# Altium PCB PCB1.PcbDoc (part 1 of 4) (continued)
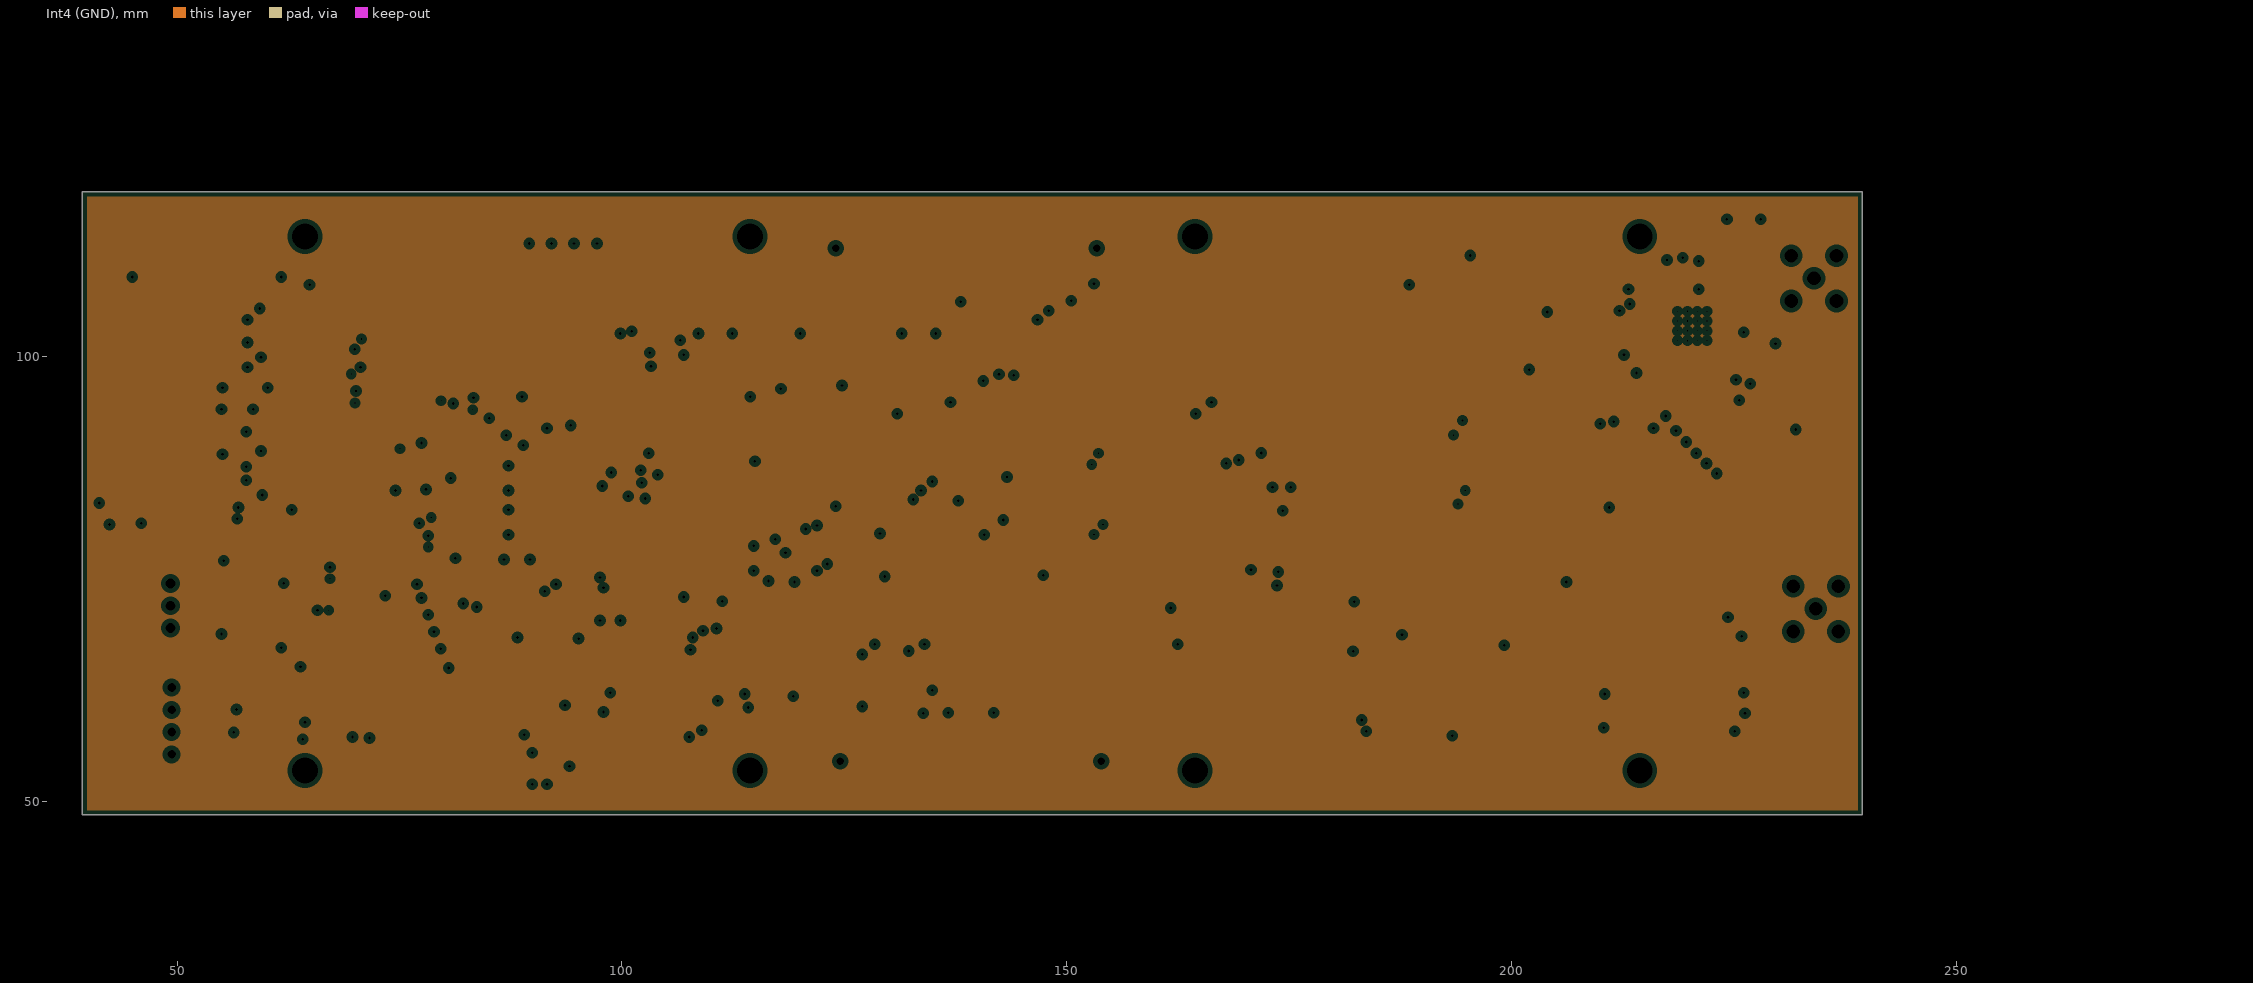
[diagram p5: Int4 (GND), clearances drawn from the general rule]
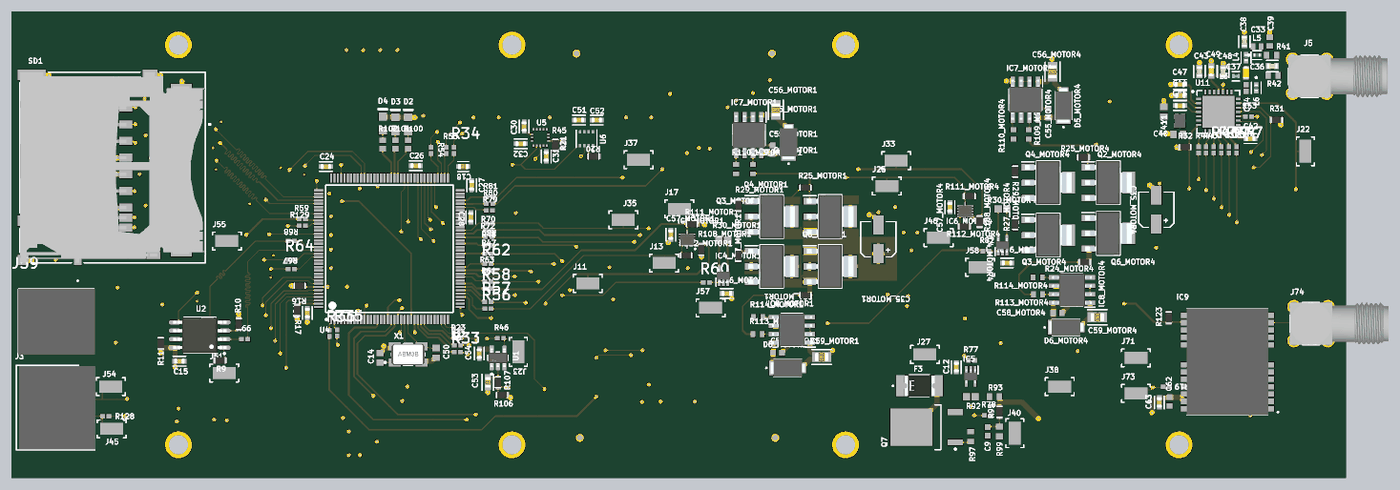
[diagram p9: 3D render of the assembled board from above, using the file's embedded part models]
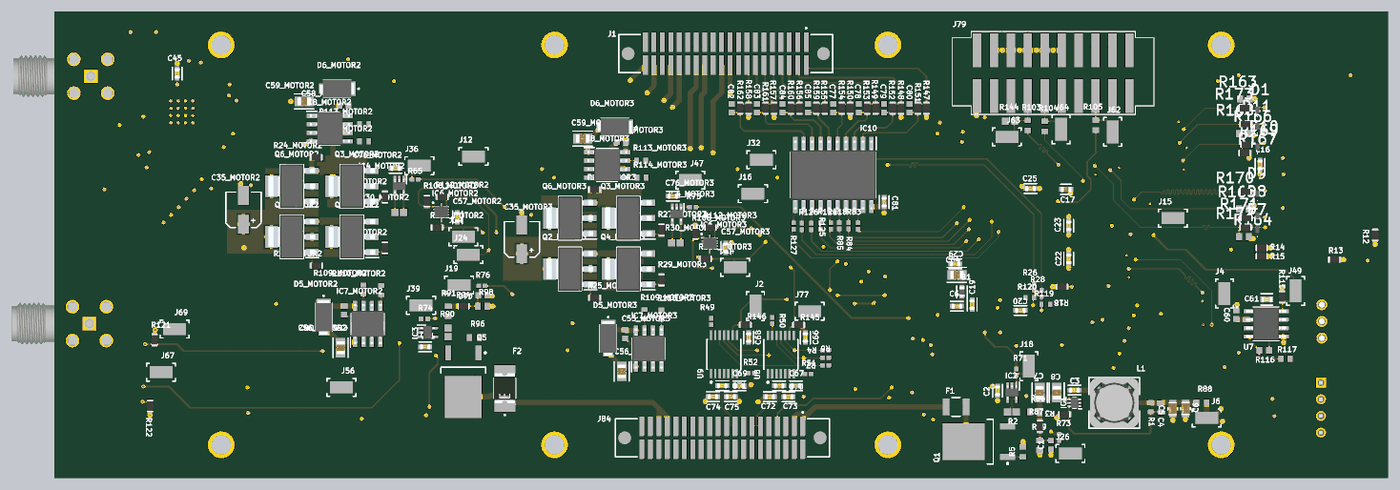
[diagram p10: 3D render of the assembled board from below, using the file's embedded part models]

## Layer stack, top to bottom
Top Solder: solder mask 0.0254, SM-001, Dk 4
Top Layer: signal copper 0.035
Dielectric 1: prepreg 0.1, PP-006, Dk 4.1
Int1 (GND): plane copper 0.0175
Dielectric 3: core 0.565, Core-035, Dk 4.7
Int2 (Sign): signal copper 0.0175
Dielectric 4: prepreg 0.0635, PP-006, Dk 4.1
Dielectric 5: prepreg 0.0635, PP-006, Dk 4.1
Int3 (Sign): signal copper 0.0175
Dielectric 6: core 0.565, Core-035, Dk 4.7
Int4 (GND): plane copper 0.0175
Dielectric 8: prepreg 0.1, PP-006, Dk 4.1
Bottom Layer: signal copper 0.035
Bottom Solder: solder mask 0.0254, SM-001, Dk 4

## Board outline
39.37,48.514 39.37,118.514 239.37,118.514 239.37,48.514

## Design rules (kind name [scope] priority, off if disabled: settings)
BoardOutlineClearance [All] p1: gap=0.2 ignorepadtopadclearanceinfootprint=FALSE
Clearance [All] p1: gap=0.3 ignorepadtopadclearanceinfootprint=TRUE
DiffPairsRouting [InDifferentialPairClass('All Differential Pairs')] p1: maxlimit=0.127 minlimit=0.127 mostfreqgap=0.127 toplayer_minwidth=0.093 toplayer_maxwidth=0.093 toplayer_prefwidth=0.093 midlayer1_minwidth=0.088 midlayer1_maxwidth=0.088 midlayer1_prefwidth=0.088 midlayer2_minwidth=0.088 midlayer2_maxwidth=0.088 midlayer2_prefwidth=0.088 bottomlayer_minwidth=0.093 bottomlayer_maxwidth=0.093 bottomlayer_prefwidth=0.093 impedanceprofiledriven=TRUE impedanceprofileid={1322ED90-85FC-419C-B2E9-A5A53C69BCB1} impedanceprofilevalue=100.000000 maxuncoupledlength=12.7
HoleSize [All] p1: absolutevalues=TRUE maxlimit=6.3 minlimit=0.2 maxpercent=80.000 minpercent=20.000
HoleToHoleClearance [All] p1: gap=0.5 allowstackedmicrovias=TRUE
MatchedLengths MatchLengths_xSignals_U4_U5 [InxSignalClass('xSignals_U4_U5_MatchLengthsClass')] p1: tolerance=2.54 checknetsindiffpair=FALSE checkdiffpairvsdiffpair=TRUE checkxsignals=TRUE checkothers=TRUE
MatchedLengths MatchLengths_xSignals_U11_U4_2 [InxSignalClass('xSignals_U11_U4_MatchLengthsClass_2')] p2: tolerance=2.54 checknetsindiffpair=FALSE checkdiffpairvsdiffpair=TRUE checkxsignals=TRUE checkothers=TRUE
MatchedLengths MatchLengths_xSignals_U11_U4_1 [InxSignalClass('xSignals_U11_U4_MatchLengthsClass_1')] p3: tolerance=2.54 checknetsindiffpair=FALSE checkdiffpairvsdiffpair=TRUE checkxsignals=TRUE checkothers=TRUE
MatchedLengths MatchLengths_xSignals_U11_U4 [InxSignalClass('xSignals_U11_U4_MatchLengthsClass')] p4: tolerance=2 checknetsindiffpair=FALSE checkdiffpairvsdiffpair=TRUE checkxsignals=TRUE checkothers=TRUE
MatchedLengths MatchLengths_xSignals_J79_U4 [InxSignalClass('xSignals_J79_U4_MatchLengthsClass')] p5: tolerance=2 checknetsindiffpair=FALSE checkdiffpairvsdiffpair=TRUE checkxsignals=TRUE checkothers=TRUE
MatchedLengths MatchLengths_xSignals_U2_U4 [InxSignalClass('xSignals_U2_U4_MatchLengthsClass')] p6: tolerance=2 checknetsindiffpair=FALSE checkdiffpairvsdiffpair=TRUE checkxsignals=TRUE checkothers=TRUE
MatchedLengths MatchLengths_xSignals_SD1_U4 [InxSignalClass('xSignals_SD1_U4_MatchLengthsClass')] p7: tolerance=2 checknetsindiffpair=FALSE checkdiffpairvsdiffpair=TRUE checkxsignals=TRUE checkothers=TRUE
MatchedLengths MatchLengths_xSignals_SD_1 [InxSignalClass('xSignals_U3_U4_MatchLengthsClass')] p8: tolerance=2.54 checknetsindiffpair=FALSE checkdiffpairvsdiffpair=TRUE checkxsignals=TRUE checkothers=TRUE usedelayunits=TRUE delaytolerance=50.000000
MatchedLengths MatchLengths_U3_Passives_U4 [InxSignalClass('xSignals_U3_Passives_U4_MatchLengthsClass')] p9: tolerance=1.27 checknetsindiffpair=FALSE checkdiffpairvsdiffpair=TRUE checkxsignals=TRUE checkothers=TRUE
MatchedLengths MatchLengths_xSignals_U3_Passives [InxSignalClass('xSignals_U3_Passives_MatchLengthsClass')] p10: tolerance=1.27 checknetsindiffpair=FALSE checkdiffpairvsdiffpair=TRUE checkxsignals=TRUE checkothers=TRUE
MatchedLengths MatchLengths_xSignals_SD [InxSignalClass('xSignals_SD_MatchLengthsClass')] p11: tolerance=2.54 checknetsindiffpair=FALSE checkdiffpairvsdiffpair=TRUE checkxsignals=TRUE checkothers=TRUE
PlaneClearance [All] p1: clearance=0.508
PlaneConnect [All] p1: planeconnectstyle=Relief reliefexpansion=0.508 reliefentries=4 reliefconductorwidth=0.254 reliefairgap=0.254
PolygonConnect [All] p1: connectstyle=Relief reliefconductorwidth=0.5 reliefentries=4 polygonreliefangle="90 Angle" airgapwidth=0.254
RoutingVias [All] p1: holewidth=0.3 width=0.6 viastyle="Through Hole" minholewidth=0.2 minwidth=0.4 maxholewidth=0.3 maxwidth=0.6
SolderMaskExpansion [All] p1: expansion=0.102 istentingtop=FALSE
Width HF [InNetClass('HF')] p1: maxlimit=0.159 minlimit=0.156 preferedwidth=0.159 toplayer_maxwidth=0.156 toplayer_prefwidth=0.156 midlayer1_minwidth=0.159 midlayer2_minwidth=0.159 bottomlayer_maxwidth=0.156 bottomlayer_prefwidth=0.156 impedanceprofiledriven=TRUE impedanceprofileid={DCA6A961-8FFC-4B95-82B8-A4B979C5D3F6} impedanceprofilevalue=50.000000 minimp=50.000000 maximp=50.000000 favimp=50.000000
Width PWR [InNetClass('PWR')] p2: maxlimit=0.762 minlimit=0.762 preferedwidth=0.762
Width [All] p3: maxlimit=0.254 minlimit=0.254 preferedwidth=0.254
25 further rules are at their usual default settings.

## Classes and differential pairs
differential pair class TH: TH1_CON TH2_CON
component class FIN_COURSE: C77 C78 C79 C80 C81 C82 C83 C84 C85 IC10 R147 R148 R149 R150 R151 R152 R153 R154 R155 R156 R157 R158 R159 R160 R161 R162
differential pair class shunt_SEQ: shunt_SEQ
differential pair class shunt_M34: shunt_M34
differential pair class shunt_M12: shunt_M12
component class Buzzer: C60 C61 J59 R115 R116 R117 U7
channel class MOTOR: MOTOR1 MOTOR2 MOTOR3 MOTOR4
component class RADIO: C33 C34 C36 C37 C38 C39 C40 C41 C42 C43 C44 C45 C46 C47 C48 C49 J5 L3 L4 L5 L6 R31 R32 R41 R42 U11 Y1
component class MOTOR4: C35_MOTOR4 C55_MOTOR4 C56_MOTOR4 C57_MOTOR4 C58_MOTOR4 C59_MOTOR4 C76_MOTOR4 D5_MOTOR4 D6_MOTOR4 IC4_MOTOR4 IC6_MOTOR4 IC7_MOTOR4 IC8_MOTOR4 Q2_MOTOR4 Q3_MOTOR4 Q4_MOTOR4 Q6_MOTOR4 R24_MOTOR4 R25_MOTOR4 R27_MOTOR4 R29_MOTOR4 R30_MOTOR4 R108_MOTOR4 R109_MOTOR4 R110_MOTOR4 R111_MOTOR4 R112_MOTOR4 R113_MOTOR4 R114_MOTOR4
component class MOTOR3: C35_MOTOR3 C55_MOTOR3 C56_MOTOR3 C57_MOTOR3 C58_MOTOR3 C59_MOTOR3 C76_MOTOR3 D5_MOTOR3 D6_MOTOR3 IC4_MOTOR3 IC6_MOTOR3 IC7_MOTOR3 IC8_MOTOR3 Q2_MOTOR3 Q3_MOTOR3 Q4_MOTOR3 Q6_MOTOR3 R24_MOTOR3 R25_MOTOR3 R27_MOTOR3 R29_MOTOR3 R30_MOTOR3 R108_MOTOR3 R109_MOTOR3 R110_MOTOR3 R111_MOTOR3 R112_MOTOR3 R113_MOTOR3 R114_MOTOR3
component class MOTOR2: C35_MOTOR2 C55_MOTOR2 C56_MOTOR2 C57_MOTOR2 C58_MOTOR2 C59_MOTOR2 C76_MOTOR2 D5_MOTOR2 D6_MOTOR2 IC4_MOTOR2 IC6_MOTOR2 IC7_MOTOR2 IC8_MOTOR2 Q2_MOTOR2 Q3_MOTOR2 Q4_MOTOR2 Q6_MOTOR2 R24_MOTOR2 R25_MOTOR2 R27_MOTOR2 R29_MOTOR2 R30_MOTOR2 R108_MOTOR2 R109_MOTOR2 R110_MOTOR2 R111_MOTOR2 R112_MOTOR2 R113_MOTOR2 R114_MOTOR2
net class PWR: +3V3 +3V3_A +9V +VBAT +VBAT_MOTOR1 +VBAT_MOTOR2 GND HOT_L_MOTOR1 HOT_L_MOTOR2 HOT_L_MOTOR3 HOT_L_MOTOR4 HOT_R_MOTOR1 HOT_R_MOTOR2 HOT_R_MOTOR3 HOT_R_MOTOR4 NetC3_1 NetC4_2 NetC55_MOTOR1_2 NetC55_MOTOR2_2 NetC55_MOTOR3_2 NetC55_MOTOR4_2 NetC58_MOTOR1_2 NetC58_MOTOR2_2 NetC58_MOTOR3_2 NetC58_MOTOR4_2 NetF1_2 NetF2_2 NetF3_2 shunt_M12_N shunt_M12_P shunt_M34_N shunt_M34_P shunt_SEQ_N shunt_SEQ_P VCC_PWR_MOTOR1 VCC_PWR_MOTOR3
net class HF: \CS_FLASH \CS_RADIO AEROCONTACT CLK_SD CMD_SD DATA0_SD DATA1_SD DATA2_SD DATA3_SD INT_IMU MISO MISO_MEM MISO_RADIO MOSI MOSI_MEM MOSI_RADIO NetC33_1 NetC33_2 NetC34_1 NetC34_2 NetC36_1 NetC36_2 NetC37_1 NetIC6_MOTOR4_11 NetIC7_MOTOR1_5 NetIC7_MOTOR1_7 NetIC7_MOTOR2_5 NetIC7_MOTOR2_7 NetIC7_MOTOR3_5 NetIC7_MOTOR3_7 NetIC7_MOTOR4_5 NetIC7_MOTOR4_7 NetIC8_MOTOR1_5 NetIC8_MOTOR1_7 NetIC8_MOTOR2_5 NetIC8_MOTOR2_7 NetIC8_MOTOR3_5 NetIC8_MOTOR3_7 NetIC8_MOTOR4_5 NetIC8_MOTOR4_7 NetIC9_11 NetIC10_11 NetIC10_12 NetIC10_13 NetIC10_14 NetIC10_15 NetIC10_16 NetIC10_17 NetIC10_18 NetJ5_1 NetR26_2 NetR28_2 NetR34_1 NetR37_1 NetR38_1 NetR39_1 NetR40_1 NetR43_1 NetR44_1 NetR45_1 NetR46_1 NetR53_1 NetR54_1 NetR55_1 NetR56_2 NetR61_2 NetR64_1 NetR66_1 NetR67_1 NetR69_2 NetR79_2 NetR83_2 NetR84_2 NetR85_2 NetR103_2 NetR104_2 NetR118_2 NetR124_2 NetR125_2 NetR126_2 NetR127_2 NetR128_2 NetR129_2 PWM_M1 PWM_M1_CW_MOTOR1 PWM_M1_CW_MOTOR2 PWM_M1_CW_MOTOR3 PWM_M1_CW_MOTOR4 PWM_M1_NCW_MOTOR1 PWM_M1_NCW_MOTOR2 PWM_M1_NCW_MOTOR3 PWM_M1_NCW_MOTOR4 PWM_M2 PWM_M3 SCK_MEM SCK_RADIO SCL SCLK SDA SDCLK SDCMD SDDATA0 SDDATA1 SDDATA2 SDDATA3 SWCLK SWDIO UART_RX UART_RX_GPS UART_TX UART_TX_GPS XTAL_IN XTAL_OUT
component class SENSORS: C30 C31 C32 C51 C52 C53 C54 C62 C63 C66 C67 C68 C69 C70 C71 C72 C73 C74 C75 IC9 J74 R20 R21 R106 R107 R121 R122 R123 R145 R146 U1 U5 U6 U8 U9
component class "POWER SUPPLIES": C1 C2 C3 C4 C5 C6 C7 C8 C9 C10 C11 C12 F1 F2 F3 IC1 IC2 IC3 IC5 L1 Q1 Q5 Q7 R1 R2 R3 R5 R86 R87 R88 R89 R90 R91 R92 R93 R94 R95 R96 R97 R98 R99
component class MOTOR1: C35_MOTOR1 C55_MOTOR1 C56_MOTOR1 C57_MOTOR1 C58_MOTOR1 C59_MOTOR1 C76_MOTOR1 D5_MOTOR1 D6_MOTOR1 IC4_MOTOR1 IC6_MOTOR1 IC7_MOTOR1 IC8_MOTOR1 Q2_MOTOR1 Q3_MOTOR1 Q4_MOTOR1 Q6_MOTOR1 R24_MOTOR1 R25_MOTOR1 R27_MOTOR1 R29_MOTOR1 R30_MOTOR1 R108_MOTOR1 R109_MOTOR1 R110_MOTOR1 R111_MOTOR1 R112_MOTOR1 R113_MOTOR1 R114_MOTOR1
component class MICROCONTROLLER: C14 C17 C18 C19 C20 C21 C22 C23 C24 C25 C26 C27 C28 C29 C50 C64 C65 D2 D3 D4 FB1 J62 J63 J64 J79 R16 R17 R18 R100 R101 R102 R103 R104 R105 R119 R120 R144 U4 X1
component class MEMORIES: C15 C16 D1 D7 D8 D9 D10 D11 R9 R10 R11 R12 R13 R14 R15 R163 R164 R165 R166 R167 R168 R169 R170 R171 R172 R173 SD1 U2
component class MAIN: J1 J2 J3 J4 J6 J7 J8 J9 J11 J12 J13 J14 J15 J16 J17 J18 J19 J20 J21 J22 J23 J24 J25 J26 J27 J28 J29 J32 J33 J34 J35 J36 J37 J38 J39 J40 J41 J42 J45 J46 J47 J48 J49 J50 J51 J54 J55 J56 J57 J58 J67 J68 J69 J70 J71 J72 J73 J75 J76 J77 J78 J84 R4 R6 R7 R8 R19 R22 R23 R26 R28 R33 R34 R35 R36 R37 R38 R39 R40 R43 R44 R45 R46 R47 R48 R49 R50 R51 R52 R53 R54 R55 R56 R57 R58 R59 R60 R61 R62 R63 R64 R65 R66 R67 R68 R69 R70 R71 R72 R73 R74 R75 R76 R77 R78 R79 R80 R81 R82 R83 R84 R85 R118 R124 R125 R126 R127 R128 R129
differential pair TH2_CON: +TH2_CON_P -TH2_CON_N
differential pair TH1_CON: +TH1_CON_P -TH1_CON_N
differential pair shunt_SEQ: +shunt_SEQ_P -shunt_SEQ_N
differential pair shunt_M34: +shunt_M34_P -shunt_M34_N
differential pair shunt_M12: +shunt_M12_P -shunt_M12_N

## Components (designator, comment, footprint, x,y, rotation, side; value= is the part's Value field where it differs from the comment)
C1 "C0603C105K3PAC7867" CAPC1608X90X35LL15T15 89.916,53.467 r90 bottom
C2 "CGA3E2X7R1E104K080AA" FP-CGA3E-0_3-0_1-MFG 97.917,61.595 r270 bottom
C3 "CGA3E2X7R1E104K080AA" FP-CGA3E-0_3-0_1-MFG 86.376,61.699 r0 bottom
C4 "GRM1885C2A220JA01D" CAPC1608X90X35NL10T15 73.406,59.079 r90 bottom
C5 "C2012X5R1C226K125AC" FP-C2012-125-MFG 71.644,58.905 r270 bottom value=22uF
C6 "C2012X5R1C226K125AC" FP-C2012-125-MFG 69.723,58.928 r270 bottom value=22uF
C7 "C2012X5R1E106K125AB" FP-C2012-125-0_2-IPC_B 91.583,61.318 r90 bottom
C8 "C2012X5R1E106K125AB" FP-C2012-125-0_2-IPC_B 89.043,61.318 r90 bottom
C9 "C0603C105K3PAC7867" CAPC1608X90X35LL15T15 185.674,55.499 r90 top
C10 "C0603C105K3PAC7867" CAPC1608X90X35LL15T15 175.133,75.946 r0 bottom
C11 "CGA3E2X7R1E104K080AA" FP-CGA3E-0_3-0_1-MFG 183.769,68.199 r180 bottom
C12 "CGA3E2X7R1E104K080AA" FP-CGA3E-0_3-0_1-MFG 180.975,65.151 r90 top
C14 "VJ0603D150JXPAJ" CAPC1608X92X38ML15T08 94.615,66.548 r270 top
C15 "CGA3E2X7R1E104K080AA" FP-CGA3E-0_3-0_1-MFG 64.516,66.04 r0 top
C16 "CGA3E2X7R1E104K080AA" FP-CGA3E-0_3-0_1-MFG 58.547,95.504 r90 bottom
C17 "C1608X5R1E225K080AB" FP-C1608-080-0_1-MFG 87.63,91.821 r0 bottom
C18 "C1608X5R1E225K080AB" FP-C1608-080-0_1-MFG 107.061,95.25 r180 top
C19 "CGA3E2X7R1E104K080AA" FP-CGA3E-0_3-0_1-MFG 101.727,74.549 r90 bottom
C20 "CGA3E2X7R1E104K080AA" FP-CGA3E-0_3-0_1-MFG 94.488,73.66 r180 bottom
C21 "CGA3E2X7R1E104K080AA" FP-CGA3E-0_3-0_1-MFG 83.693,73.279 r270 top
C22 "CGA3E2X7R1E104K080AA" FP-CGA3E-0_3-0_1-MFG 87.249,81.407 r90 bottom
C23 "CGA3E2X7R1E104K080AA" FP-CGA3E-0_3-0_1-MFG 87.249,86.36 r90 bottom
C24 "CGA3E2X7R1E104K080AA" FP-CGA3E-0_3-0_1-MFG 86.487,95.25 r180 top
C25 "CGA3E2X7R1E104K080AA" FP-CGA3E-0_3-0_1-MFG 92.964,91.948 r180 bottom
C26 "CGA3E2X7R1E104K080AA" FP-CGA3E-0_3-0_1-MFG 99.949,95.377 r0 top
C27 "CGA3E2X7R1E104K080AA" FP-CGA3E-0_3-0_1-MFG 108.331,92.456 r90 top
C28 "CGA3E2X7R1E104K080AA" FP-CGA3E-0_3-0_1-MFG 108.204,87.63 r90 top
C29 "CGA3E2X7R1E104K080AA" FP-CGA3E-0_3-0_1-MFG 104.267,80.645 r180 bottom
C30 "CGA3E2X7R1E104K080AA" FP-CGA3E-0_3-0_1-MFG 116.189,101.255 r90 top
C31 "CGA3E2X7R1E104K080AA" FP-CGA3E-0_3-0_1-MFG 119.507,96.774 r270 top
C32 "CGA3E2X7R1E104K080AA" FP-CGA3E-0_3-0_1-MFG 115.697,98.679 r180 top
C33 "06032U1R2BAT2A" CAPC1508X91X25LL25T13 226.06,113.249 r0 top
C34 "04023A2R2CAT2A" CAPC1005X56X25ML10T15 224.409,107.026 r90 top
C35_MOTOR1 "EEE-FT1E470AR" PNSC-FT-V-53x53-2_V 169.291,84.337 r180 top (schematic designator C35)
C35_MOTOR2 "EEE-FT1E470AR" PNSC-FT-V-53x53-2_V 211.029,88.765 r0 bottom (schematic designator C35)
C35_MOTOR3 "EEE-FT1E470AR" PNSC-FT-V-53x53-2_V 169.291,84.328 r0 bottom (schematic designator C35)
C35_MOTOR4 "EEE-FT1E470AR" PNSC-FT-V-53x53-2_V 210.947,88.773 r180 top (schematic designator C35)
C36 "C0603C470J3GACTU" FP-C0603C-CF-MFG 228.346,110.328 r180 top value="47 pF"
C37 "CC0603JRNPO9BN330" CAPC1608X90X40LL10T20 224.409,109.312 r270 top
C38 "C0603C479C5GACTU" FP-C0603C-CF-MFG 224.155,114.011 r90 top value="4.7 pF"
C39 "06032U1R8BAT2A" CAPC1508X91X25NL25T13 227.965,114.011 r270 top
C40 "VJ0603D150JXPAJ" CAPC1608X92X38ML15T08 214.249,100.076 r0 top
C41 "VJ0603D150JXPAJ" CAPC1608X92X38ML15T08 212.09,103.505 r270 top
C42 "CGA3E2X7R1E104K080AA" FP-CGA3E-0_3-0_1-MFG 225.044,99.441 r0 top
C43 "C0603C470J3GACTU" FP-C0603C-CF-MFG 217.424,109.509 r90 top value="47 pF"
C44 "CGA3E2X7R1E104K080AA" FP-CGA3E-0_3-0_1-MFG 214.568,105.918 r180 top
C45 "CGA3E2X7R1E104K080AA" FP-CGA3E-0_3-0_1-MFG 220.98,109.22 r90 bottom
C46 "CGA3E2X7R1E104K080AA" FP-CGA3E-0_3-0_1-MFG 214.503,104.394 r180 top
C47 "CGA3E2X7R1E104K080AA" FP-CGA3E-0_3-0_1-MFG 214.503,107.569 r180 top
C48 "C0603C470J3GACTU" FP-C0603C-CF-MFG 220.98,109.474 r90 top value="47 pF"
C49 "CC0603KRX7R9BB103" FP-CC0603-DA-MFG 219.202,109.601 r90 top value="10 nF"
C50 "VJ0603D150JXPAJ" CAPC1608X92X38ML15T08 102.997,67.31 r90 top
C51 "CGA3E2X7R1E104K080AA" FP-CGA3E-0_3-0_1-MFG 124.404,102.226 r180 top
C52 "CGA3E2X7R1E104K080AA" FP-CGA3E-0_3-0_1-MFG 127.071,102.226 r0 top
C53 "C1608X7R1H334K080AC" FP-C1608-080-0_1-IPC_B 110.744,62.865 r90 top
C54 "CGA3E2X7R1E104K080AA" FP-CGA3E-0_3-0_1-MFG 109.474,67.183 r270 top
C55_MOTOR1 "C0603C105K3PAC7867" CAPC1608X90X35LL15T15 153.416,97.79 r270 top (schematic designator C55)
C55_MOTOR2 "C0603C105K3PAC7867" CAPC1608X90X35LL15T15 195.961,73.66 r90 bottom (schematic designator C55)
C55_MOTOR3 "C0603C105K3PAC7867" CAPC1608X90X35LL15T15 153.797,70.089 r90 bottom (schematic designator C55)
C55_MOTOR4 "C0603C105K3PAC7867" CAPC1608X90X35LL15T15 194.756,103.251 r270 top (schematic designator C55)
C56_MOTOR1 "C2012X5R1E106K125AB" FP-C2012-125-0_2-IPC_B 153.924,103.761 r90 top (schematic designator C56)
C56_MOTOR2 "C2012X5R1E106K125AB" FP-C2012-125-0_2-IPC_B 196.469,68.07 r270 bottom (schematic designator C56)
C56_MOTOR3 "C2012X5R1E106K125AB" FP-C2012-125-0_2-IPC_B 154.305,64.516 r270 bottom (schematic designator C56)
C56_MOTOR4 "C2012X5R1E106K125AB" FP-C2012-125-0_2-IPC_B 195.391,109.474 r90 top (schematic designator C56)
C57_MOTOR1 "CGA3E2X7R1E104K080AA" FP-CGA3E-0_3-0_1-MFG 138.176,85.028 r90 top (schematic designator C57)
C57_MOTOR2 "CGA3E2X7R1E104K080AA" FP-CGA3E-0_3-0_1-MFG 178.943,87.63 r270 bottom (schematic designator C57)
C57_MOTOR3 "CGA3E2X7R1E104K080AA" FP-CGA3E-0_3-0_1-MFG 138.684,83.058 r270 bottom (schematic designator C57)
C57_MOTOR4 "CGA3E2X7R1E104K080AA" FP-CGA3E-0_3-0_1-MFG 180.024,89.154 r90 top (schematic designator C57)
C58_MOTOR1 "C0603C105K3PAC7867" CAPC1608X90X35LL15T15 154.178,67.31 r180 top (schematic designator C58)
C58_MOTOR2 "C0603C105K3PAC7867" CAPC1608X90X35LL15T15 195.946,104.394 r180 bottom (schematic designator C58)
C58_MOTOR3 "C0603C105K3PAC7867" CAPC1608X90X35LL15T15 154.32,98.933 r180 bottom (schematic designator C58)
C58_MOTOR4 "C0603C105K3PAC7867" CAPC1608X90X35LL15T15 196.153,73.279 r180 top (schematic designator C58)
C59_MOTOR1 "C2012X5R1E106K125AB" FP-C2012-125-0_2-IPC_B 160.784,66.675 r0 top (schematic designator C59)
C59_MOTOR2 "C2012X5R1E106K125AB" FP-C2012-125-0_2-IPC_B 201.932,105.029 r0 bottom (schematic designator C59)
C59_MOTOR3 "C2012X5R1E106K125AB" FP-C2012-125-0_2-IPC_B 160.145,99.441 r0 bottom (schematic designator C59)
C59_MOTOR4 "C2012X5R1E106K125AB" FP-C2012-125-0_2-IPC_B 202.12,72.644 r0 top (schematic designator C59)
C60 "C0603C105K3PAC7867" CAPC1608X90X35LL15T15 62.103,73.025 r270 bottom
C61 "C0603C102J3GACTU" FP-C0603C-CF-MFG 57.531,75.311 r180 bottom value="1,000 pF"
C62 "C0603C105K3PAC7867" CAPC1608X90X35LL15T15 212.933,59.989 r90 top
C63 "CGA3E2X7R1E104K080AA" FP-CGA3E-0_3-0_1-MFG 211.409,59.862 r270 top
C64 "C2012X5R1E106K125AB" FP-C2012-125-0_2-IPC_B 104.013,78.994 r0 bottom
C65 "CGA3E2X7R1E104K080AA" FP-CGA3E-0_3-0_1-MFG 104.013,74.295 r0 bottom
C66 "CGA3E2X7R1E104K080AA" FP-CGA3E-0_3-0_1-MFG 126.746,69.596 r270 bottom
C67 "CGA3E2X7R1E104K080AA" FP-CGA3E-0_3-0_1-MFG 128.143,62.357 r180 bottom
C68 "CGA3E2X7R1E104K080AA" FP-CGA3E-0_3-0_1-MFG 135.255,69.596 r270 bottom
C69 "CGA3E2X7R1E104K080AA" FP-CGA3E-0_3-0_1-MFG 136.652,62.357 r180 bottom
C70 "CGA3E2X7R1E104K080AA" FP-CGA3E-0_3-0_1-MFG 130.683,62.357 r180 bottom
C71 "CGA3E2X7R1E104K080AA" FP-CGA3E-0_3-0_1-MFG 139.215,62.369 r180 bottom
C72 "CGA3E2X7R1E104K080AA" FP-CGA3E-0_3-0_1-MFG 132.08,60.706 r0 bottom
C73 "CGA3E2X7R1E104K080AA" FP-CGA3E-0_3-0_1-MFG 129.286,60.706 r180 bottom
C74 "CGA3E2X7R1E104K080AA" FP-CGA3E-0_3-0_1-MFG 140.612,60.718 r0 bottom
C75 "CGA3E2X7R1E104K080AA" FP-CGA3E-0_3-0_1-MFG 137.945,60.718 r180 bottom
C76_MOTOR1 "CGA3E2X7R1E104K080AA" FP-CGA3E-0_3-0_1-MFG 146.558,76.2 r180 top (schematic designator C76)
C76_MOTOR2 "CGA3E2X7R1E104K080AA" FP-CGA3E-0_3-0_1-MFG 188.214,94.996 r180 bottom (schematic designator C76)
C76_MOTOR3 "CGA3E2X7R1E104K080AA" FP-CGA3E-0_3-0_1-MFG 146.623,90.805 r180 bottom (schematic designator C76)
C76_MOTOR4 "CGA3E2X7R1E104K080AA" FP-CGA3E-0_3-0_1-MFG 188.595,80.772 r180 top (schematic designator C76)
C77 "C0603C105K3PAC7867" CAPC1608X90X35LL15T15 122.555,104.013 r270 bottom
C78 "C0603C105K3PAC7867" CAPC1608X90X35LL15T15 118.745,104.013 r270 bottom
C79 "C0603C105K3PAC7867" CAPC1608X90X35LL15T15 114.935,104.013 r270 bottom
C80 "C0603C105K3PAC7867" CAPC1608X90X35LL15T15 111.125,104.013 r270 bottom
C81 "CGA3E2X7R1E104K080AA" FP-CGA3E-0_3-0_1-MFG 114.935,89.916 r90 bottom
C82 "C0603C105K3PAC7867" CAPC1608X90X35LL15T15 137.795,104.013 r270 bottom
C83 "C0603C105K3PAC7867" CAPC1608X90X35LL15T15 133.985,104.013 r270 bottom
C84 "C0603C105K3PAC7867" CAPC1608X90X35LL15T15 130.175,104.013 r270 bottom
C85 "C0603C105K3PAC7867" CAPC1608X90X35LL15T15 126.365,104.013 r270 bottom
D1 "SP4322-01ETG" SP432201ETG 58.928,103.759 r90 bottom
D2 "HSMG-C170" AVAG-HSMX-C170_V 98.806,101.6 r90 top
D3 "HSMG-C170" AVAG-HSMX-C170_V 96.901,101.6 r90 top
D4 "HSMG-C170" AVAG-HSMX-C170_V 94.996,101.693 r90 top
D5_MOTOR1 "V4PAN50-M3_I" V4PAN50M3I 155.829,98.873 r90 top (schematic designator D5)
D5_MOTOR2 "V4PAN50-M3_I" V4PAN50M3I 199.009,72.644 r270 bottom (schematic designator D5)
D5_MOTOR3 "V4PAN50-M3_I" V4PAN50M3I 156.337,69.469 r270 bottom (schematic designator D5)
D5_MOTOR4 "V4PAN50-M3_I" V4PAN50M3I 197.042,104.394 r90 top (schematic designator D5)
D6_MOTOR1 "V4PAN50-M3_I" V4PAN50M3I 155.702,65.024 r0 top (schematic designator D6)
D6_MOTOR2 "V4PAN50-M3_I" V4PAN50M3I 196.977,106.934 r0 bottom (schematic designator D6)
D6_MOTOR3 "V4PAN50-M3_I" V4PAN50M3I 155.321,101.219 r0 bottom (schematic designator D6)
D6_MOTOR4 "V4PAN50-M3_I" V4PAN50M3I 197.423,71.12 r0 top (schematic designator D6)
D7 "SP4322-01ETG" SP432201ETG 58.928,85.781 r90 bottom
D8 "SP4322-01ETG" SP432201ETG 58.928,87.884 r270 bottom
D9 "SP4322-01ETG" SP432201ETG 58.928,91.186 r90 bottom
D10 "SP4322-01ETG" SP432201ETG 58.928,98.242 r90 bottom
D11 "SP4322-01ETG" SP432201ETG 58.928,101.29 r90 bottom
F1 "1210L110/16WR" FP-1210L110-16WR-MFG 104.14,59.182 r180 bottom value=0.06-0.21Ω
F2 "1812L260_16MR" 1812L010DR 171.831,61.976 r90 bottom
F3 "1812L260_16MR" 1812L010DR 175.462,62.357 r0 top
FB1 "BLE18PS080BH1D" FP-BLE18-0_15-t0_6-MFG 103.251,76.454 r270 bottom
IC1 "TPS562202DRLR" SOTFL50P160X60-6N 86.376,59.794 r0 bottom
IC2 "INA290A4QDCKRQ1" SOT65P210X110-5N 95.758,61.341 r270 bottom
IC3 "INA290A4QDCKRQ1" SOT65P210X110-5N 183.388,70.358 r180 bottom
IC4_MOTOR1 "INA290A4QDCKRQ1" SOT65P210X110-5N 146.05,78.867 r90 top (schematic designator IC4)
IC4_MOTOR2 "INA290A4QDCKRQ1" SOT65P210X110-5N 187.661,92.321 r270 bottom (schematic designator IC4)